# Allegro board 8880F5-0823__zarif.brd (continued)
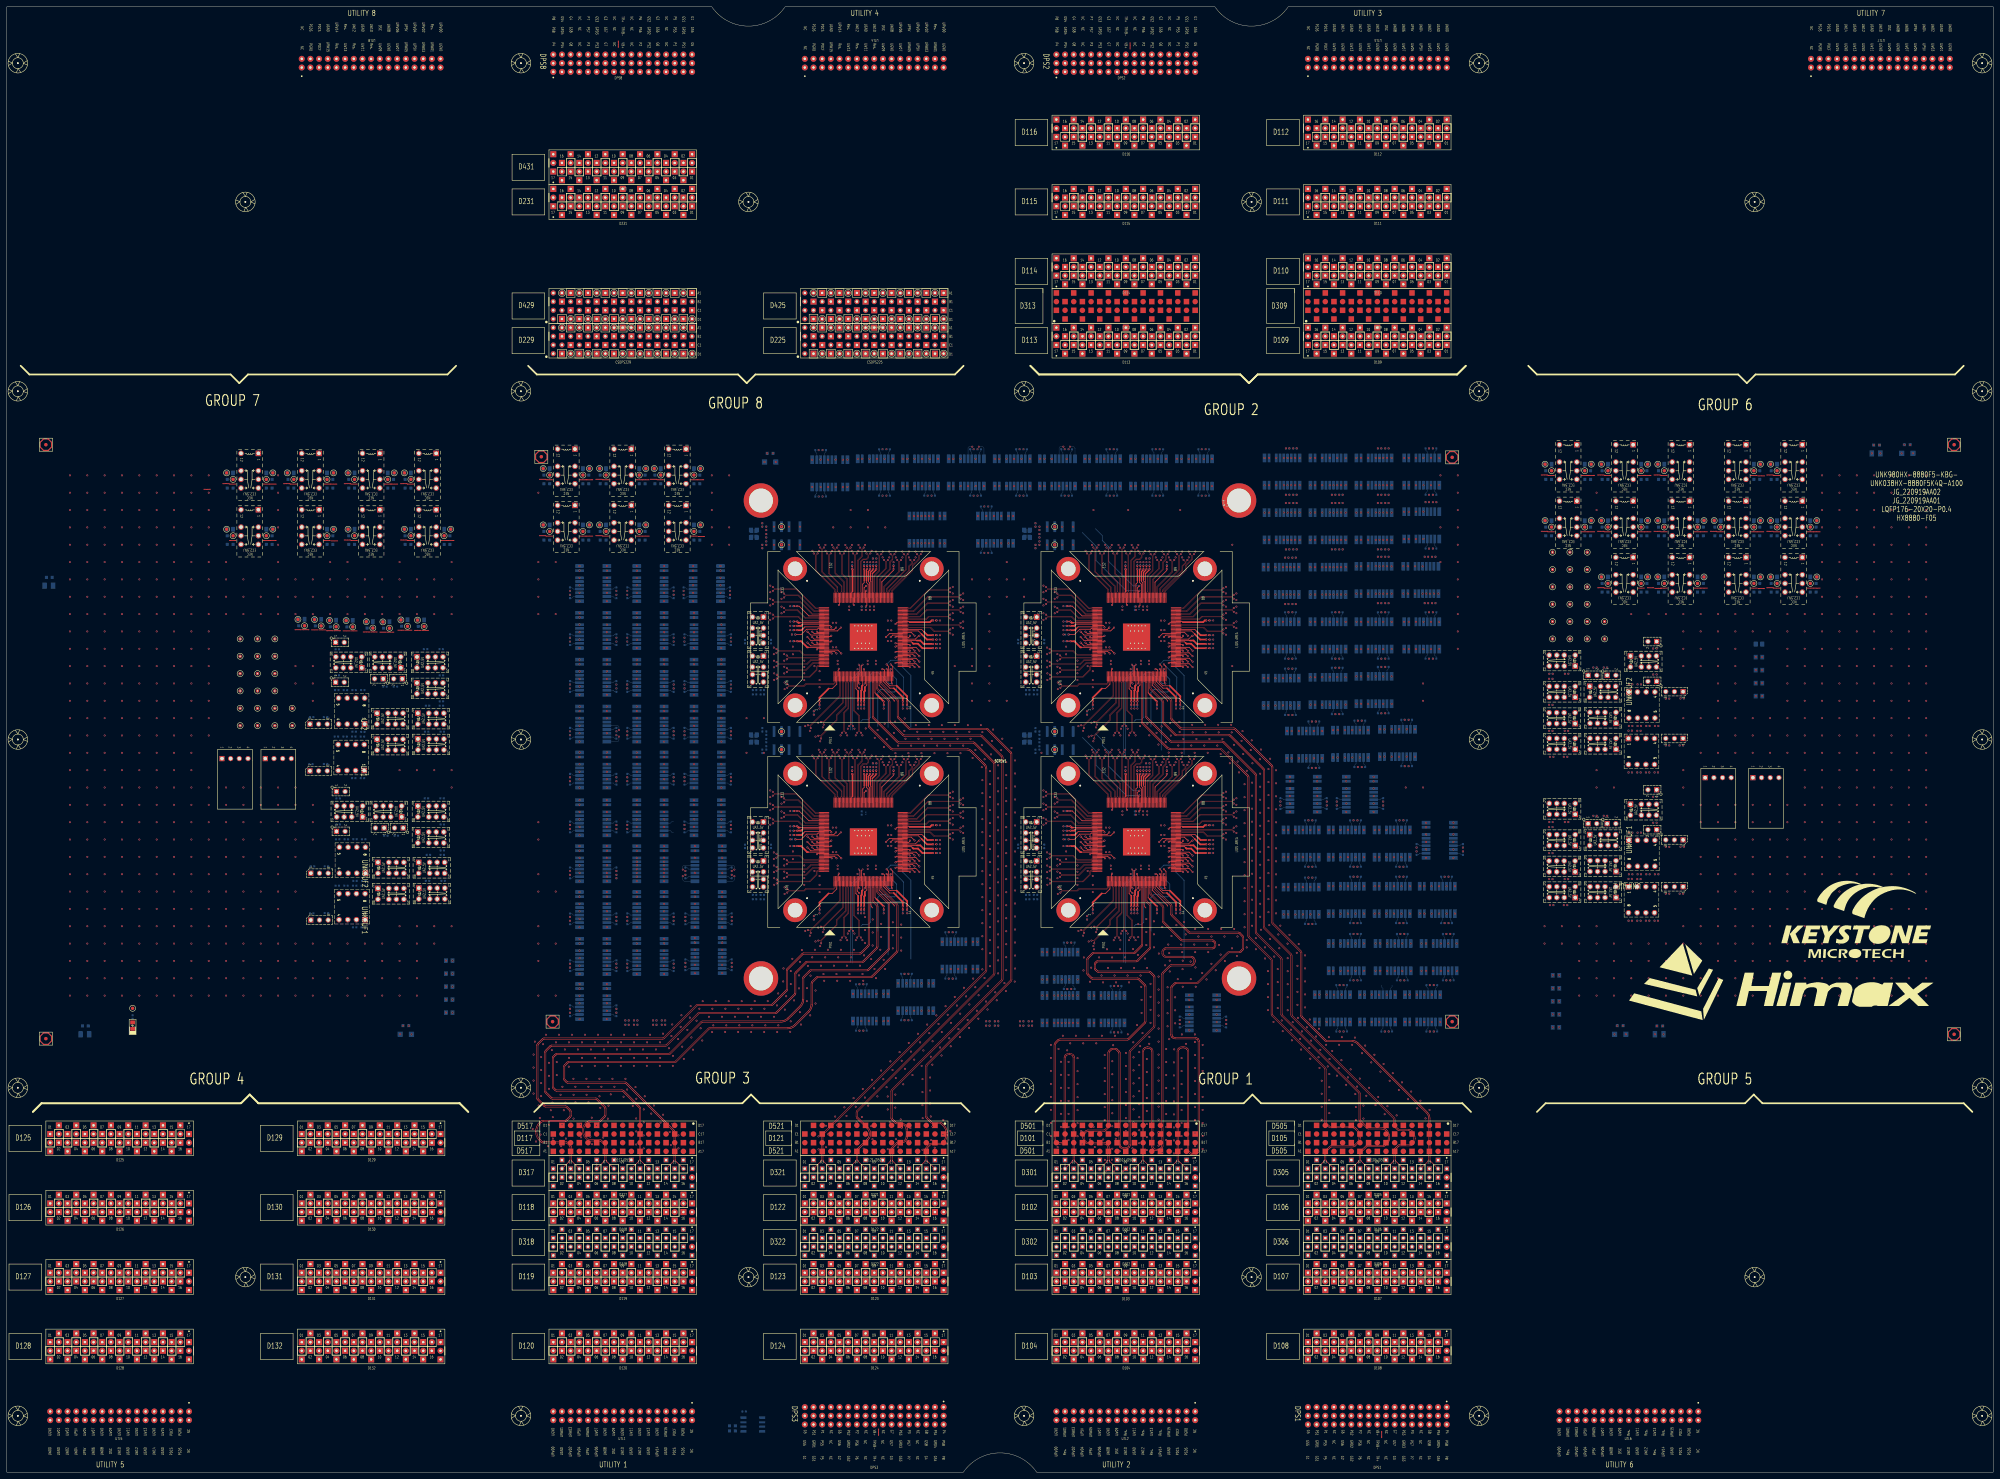
[diagram p0: board, top side]
## Placement (name value [footprint] x y rotation side) (continued)
NOREF#1338  -  []  297.83 174.63 90 top
NOREF#1339  -  []  167.7 206.29 90 top
NOREF#1340  -  []  385.19 281.11 0 top
NOREF#1341  -  []  338.2 246.67 0 top
NOREF#1342  -  []  184.47 242.78 90 top
NOREF#1343  -  []  392.24 199.18 90 top
NOREF#1344  -  []  221.56 242.89 0 top
NOREF#1345  -  []  262.36 223.82 90 top
NOREF#1346  -  []  336.45 224.74 0 top
NOREF#1347  -  []  252.51 204.35 90 top
NOREF#1348  -  []  184.47 186.57 90 top
NOREF#1349  -  []  377.23 289.12 0 top
NOREF#1350  -  []  451.68 230.2 0 top
NOREF#1351  -  []  420.62 239.21 90 top
NOREF#1352  -  []  327.25 205.56 0 top
NOREF#1353  -  []  383.09 257.11 0 top
NOREF#1354  -  []  379.52 188.15 0 top
NOREF#1355  -  []  194.09 146.68 90 top
NOREF#1356  -  []  237.66 164.74 0 top
NOREF#1357  -  []  283.91 273.37 90 top
NOREF#1358  -  []  475.04 239.09 0 top
NOREF#1359  -  []  287.27 286.96 90 top
NOREF#1360  -  []  351.34 249.5 0 top
NOREF#1361  -  []  295.96 177.06 0 top
NOREF#1362  -  []  230.43 186.34 0 top
NOREF#1363  -  []  388.43 180.15 0 top
NOREF#1364  -  []  199.59 243.9 90 top
NOREF#1365  -  []  106.11 234.24 0 top
NOREF#1366  -  []  399.07 208.91 90 top
NOREF#1367  -  []  456.04 222.5 0 top
NOREF#1368  -  []  259.33 265.56 0 top
NOREF#1369  -  []  201.49 161 90 top
NOREF#1370  -  []  182.57 185.42 0 top
NOREF#1371  -  []  301.95 290.13 90 top
NOREF#1372  -  []  185.2 292.55 90 top
NOREF#1373  -  []  165.8 171.96 0 top
NOREF#1374  -  []  209.59 147.43 90 top
NOREF#1375  -  []  396.55 241.11 0 top
NOREF#1376  -  []  311.15 159.63 90 top
NOREF#1377  -  []  182.82 175.58 90 top
NOREF#1378  -  []  272.24 182.32 90 top
NOREF#1379  -  []  184.89 172.56 90 top
NOREF#1380  -  []  251.38 224.74 90 top
NOREF#1381  -  []  127.55 191.95 90 top
NOREF#1382  -  []  166.06 257.62 90 top
NOREF#1383  -  []  377.32 163.39 0 top
NOREF#1384  -  []  388.43 163.64 0 top
NOREF#1385  -  []  310.43 187.61 90 top
NOREF#1386  -  []  107.76 238.84 0 top
NOREF#1387  -  []  334.61 205.86 90 top
NOREF#1388  -  []  22.16 130.26 90 top
NOREF#1389  -  []  385.36 194.18 90 top
NOREF#1390  -  []  309.51 243.41 0 top
NOREF#1391  -  []  276.4 147.38 0 top
NOREF#1392  -  []  241.6 296.61 0 top
NOREF#1393  -  []  248 286.96 0 top
NOREF#1394  -  []  201.23 227.72 0 top
NOREF#1395  -  []  165.8 144.78 0 top
NOREF#1396  -  []  352.25 245.5 0 top
NOREF#1397  -  []  310.73 249.2 0 top
NOREF#1398  -  []  317.66 164.74 0 top
NOREF#1399  -  []  471.21 168.33 90 top
NOREF#1400  -  []  352.24 249.18 90 top
NOREF#1401  -  []  352.25 241.05 90 top
NOREF#1402  -  []  271.82 134.74 90 top
NOREF#1403  -  []  310.43 249.52 0 top
NOREF#1404  -  []  230.43 248.88 90 top
NOREF#1405  -  []  155.57 291.65 90 top
NOREF#1406  -  []  342.36 165.04 90 top
NOREF#1407  -  []  306.71 139.64 0 top
NOREF#1408  -  []  470.71 227 90 top
NOREF#1409  -  []  184.47 244.98 90 top
NOREF#1410  -  []  333.4 205.55 0 top
NOREF#1411  -  []  201.23 186.57 0 top
NOREF#1412  -  []  402.14 146.88 0 top
NOREF#1413  -  []  383.83 194.68 90 top
NOREF#1414  -  []  373.93 281.11 0 top
NOREF#1415  -  []  209.59 160.9 90 top
NOREF#1416  -  []  229.51 247.93 0 top
NOREF#1417  -  []  249.15 296.86 0 top
NOREF#1418  -  []  463.61 171.53 0 top
NOREF#1419  -  []  209.49 177.76 90 top
NOREF#1420  -  []  352.25 242.32 90 top
NOREF#1421  -  []  408.63 290.39 90 top
NOREF#1422  -  []  396.03 163.64 0 top
NOREF#1423  -  []  331.62 205.56 0 top
NOREF#1424  -  []  106.18 160.58 90 top
NOREF#1425  -  []  352.25 181.69 0 top
NOREF#1426  -  []  308.91 139.64 0 top
NOREF#1427  -  []  405.93 240.66 90 top
NOREF#1428  -  []  107.02 166.42 90 top
NOREF#1429  -  []  331.54 192.73 90 top
NOREF#1430  -  []  459.28 192.71 0 top
NOREF#1431  -  []  272.25 249.18 90 top
NOREF#1432  -  []  310.83 164.63 0 top
NOREF#1433  -  []  468.85 257.36 90 top
NOREF#1434  -  []  112.16 238.84 0 top
NOREF#1435  -  []  306.27 216.63 90 top
NOREF#1436  -  []  397.8 163.19 90 top
NOREF#1437  -  []  224.65 211.67 0 top
NOREF#1438  -  []  251.22 253.63 0 top
NOREF#1439  -  []  250.49 224.74 90 top
NOREF#1440  -  []  258.2 186.67 0 top
NOREF#1441  -  []  396.55 241.11 0 top
NOREF#1442  -  []  369.38 241.11 0 top
NOREF#1443  -  []  192.57 201.79 90 top
NOREF#1444  -  []  334.61 265.86 90 top
NOREF#1445  -  []  463.61 222.58 0 top
NOREF#1446  -  []  167.7 255.15 0 top
NOREF#1447  -  []  511.59 291.28 90 top
NOREF#1448  -  []  384.36 131.89 0 top
NOREF#1449  -  []  167.7 190.12 90 top
NOREF#1450  -  []  342.63 296.86 0 top
NOREF#1451  -  []  352.25 189.82 0 top
NOREF#1452  -  []  242.23 233.13 90 top
NOREF#1453  -  []  420.15 131.44 90 top
NOREF#1454  -  []  175.7 177.76 90 top
NOREF#1455  -  []  339.33 205.56 90 top
NOREF#1456  -  []  412.62 249.11 0 top
NOREF#1457  -  []  220.36 188.49 0 top
NOREF#1458  -  []  184.47 206.29 90 top
NOREF#1459  -  []  165.8 131.57 90 top
NOREF#1460  -  []  229.51 253.69 0 top
NOREF#1461  -  []  471.21 175.95 90 top
NOREF#1462  -  []  326.23 233.13 0 top
NOREF#1463  -  []  400.34 194.68 90 top
NOREF#1464  -  []  310.73 193.69 0 top
NOREF#1465  -  []  330.73 265.56 0 top
NOREF#1466  -  []  403.99 180.15 0 top
NOREF#1467  -  []  229.51 183.41 0 top
NOREF#1468  -  []  209.59 174.36 90 top
NOREF#1469  -  []  230.43 254.01 0 top
NOREF#1470  -  []  177.33 146.68 90 top
NOREF#1471  -  []  192.47 182.06 90 top
NOREF#1472  -  []  209.23 209.49 90 top
NOREF#1473  -  []  483.04 239.09 0 top
NOREF#1474  -  []  175.7 246.08 90 top
NOREF#1475  -  []  397.8 179.6 90 top
NOREF#1476  -  []  66.26 290.38 90 top
NOREF#1477  -  []  184.47 161 90 top
NOREF#1478  -  []  390.34 192.28 90 top
NOREF#1479  -  []  303.56 233.86 90 top
NOREF#1480  -  []  199.33 199.39 90 top
NOREF#1481  -  []  272.55 182.64 0 top
NOREF#1482  -  []  299.59 288.86 90 top
NOREF#1483  -  []  229.21 186.34 0 top
NOREF#1484  -  []  355.89 130.17 90 top
NOREF#1485  -  []  383.09 273.11 0 top
NOREF#1486  -  []  230.43 188.88 0 top
NOREF#1487  -  []  423.61 182.42 90 top
NOREF#1488  -  []  118.45 231.77 0 top
NOREF#1489  -  []  309.51 247.93 0 top
NOREF#1490  -  []  310.43 194.01 0 top
NOREF#1491  -  []  387.08 171.64 0 top
NOREF#1492  -  []  331.38 164.74 90 top
NOREF#1493  -  []  124.35 222.33 0 top
NOREF#1494  -  []  332.83 204.65 90 top
NOREF#1495  -  []  254.61 205.86 90 top
NOREF#1496  -  []  419.9 272.92 90 top
NOREF#1497  -  []  482.64 235.89 90 top
NOREF#1498  -  []  352.55 245.18 0 top
NOREF#1499  -  []  409.49 180.15 0 top
NOREF#1500  -  []  100.73 238.84 0 top
NOREF#1501  -  []  341.63 195.43 90 top
NOREF#1502  -  []  184.47 233.47 90 top
NOREF#1503  -  []  408.02 287.22 0 top
NOREF#1504  -  []  459.28 227 90 top
NOREF#1505  -  []  483.04 195.66 0 top
NOREF#1506  -  []  339.33 205.55 0 top
NOREF#1507  -  []  172.08 289.11 90 top
NOREF#1508  -  []  201.66 186.02 90 top
NOREF#1509  -  []  394.66 226.38 90 top
NOREF#1510  -  []  119.95 195.15 0 top
NOREF#1511  -  []  418.12 241.11 0 top
NOREF#1512  -  []  199.33 240.28 0 top
NOREF#1513  -  []  118.99 166.5 90 top
NOREF#1514  -  []  230.43 187.61 0 top
NOREF#1515  -  []  254.29 265.55 0 top
NOREF#1516  -  []  221.56 239.06 0 top
NOREF#1517  -  []  478.57 291.28 90 top
NOREF#1518  -  []  410.52 273.37 0 top
NOREF#1519  -  []  258.1 288.86 0 top
NOREF#1520  -  []  165.8 240.28 0 top
NOREF#1521  -  []  383.09 257.11 0 top
NOREF#1522  -  []  481.96 276.41 90 top
NOREF#1523  -  []  336.77 223.82 90 top
NOREF#1524  -  []  392.66 192.88 90 top
NOREF#1525  -  []  352.25 185.5 0 top
NOREF#1526  -  []  215.96 188.49 0 top
NOREF#1527  -  []  373.83 192.28 0 top
NOREF#1528  -  []  318.3 163.52 90 top
NOREF#1529  -  []  278.6 147.38 0 top
NOREF#1530  -  []  166.06 148.4 90 top
NOREF#1531  -  []  271.04 182.96 0 top
NOREF#1532  -  []  400.24 198.08 90 top
NOREF#1533  -  []  229.21 248.88 0 top
NOREF#1534  -  []  301.56 242.89 0 top
NOREF#1535  -  []  272.55 242.64 0 top
NOREF#1536  -  []  250.73 265.55 0 top
NOREF#1537  -  []  479.44 195.66 0 top
NOREF#1538  -  []  175.7 236.67 90 top
NOREF#1539  -  []  376.23 209.11 0 top
NOREF#1540  -  []  310.73 247.93 0 top
NOREF#1541  -  []  127.95 222.33 0 top
NOREF#1542  -  []  334.29 205.56 90 top
NOREF#1543  -  []  175.7 182.06 90 top
NOREF#1544  -  []  378.75 256.66 90 top
NOREF#1545  -  []  303.84 288.86 0 top
NOREF#1546  -  []  408.63 274.64 90 top
NOREF#1547  -  []  409.43 139.89 0 top
NOREF#1548  -  []  215.96 188.49 0 top
NOREF#1549  -  []  122.19 247.3 90 top
NOREF#1550  -  []  385.18 209.11 90 top
NOREF#1551  -  []  315.82 129.74 0 top
NOREF#1552  -  []  192.47 205.19 90 top
NOREF#1553  -  []  184.47 178.86 90 top
NOREF#1554  -  []  272.55 181.37 0 top
NOREF#1555  -  []  369.38 257.11 0 top
NOREF#1556  -  []  398.65 265.37 0 top
NOREF#1557  -  []  320.42 131.64 0 top
NOREF#1558  -  []  275.82 296.86 0 top
NOREF#1559  -  []  404.15 273.11 0 top
NOREF#1560  -  []  220.36 177.06 0 top
NOREF#1561  -  []  263.44 135.19 0 top
NOREF#1562  -  []  253.4 205.56 90 top
NOREF#1563  -  []  320.83 194.63 0 top
NOREF#1564  -  []  209.33 215.25 90 top
NOREF#1565  -  []  351.34 185.18 0 top
NOREF#1566  -  []  175.7 259.8 90 top
NOREF#1567  -  []  352.24 242.32 90 top
NOREF#1568  -  []  342.36 163.82 90 top
NOREF#1569  -  []  351.34 242.64 0 top
NOREF#1570  -  []  390.69 241.11 0 top
NOREF#1571  -  []  354.27 134.07 90 top
NOREF#1572  -  []  413.51 207.71 90 top
NOREF#1573  -  []  378.75 256.56 90 top
NOREF#1574  -  []  330.51 288.86 0 top
NOREF#1575  -  []  167.7 229.07 90 top
NOREF#1576  -  []  383.09 241.11 0 top
NOREF#1577  -  []  518.38 276.41 90 top
NOREF#1578  -  []  309.21 187.61 0 top
NOREF#1579  -  []  330.73 205.56 0 top
NOREF#1580  -  []  295.96 188.49 0 top
NOREF#1581  -  []  465.31 186.77 0 top
NOREF#1582  -  []  199.33 212.85 90 top
NOREF#1583  -  []  165.8 240.28 90 top
NOREF#1584  -  []  273.09 288.31 90 top
NOREF#1585  -  []  110.47 178.64 0 top
NOREF#1586  -  []  235.85 296.61 0 top
NOREF#1587  -  []  194.09 173.86 90 top
NOREF#1588  -  []  226.83 269.63 90 top
NOREF#1589  -  []  94.93 190.55 0 top
NOREF#1590  -  []  184.47 227.72 90 top
NOREF#1591  -  []  259.65 264.65 90 top
NOREF#1592  -  []  184.47 258.7 90 top
NOREF#1593  -  []  93.76 273.87 90 top
NOREF#1594  -  []  415.1 163.64 0 top
NOREF#1595  -  []  309.51 183.41 0 top
NOREF#1596  -  []  328.96 224.74 0 top
NOREF#1597  -  []  406.65 271.21 90 top
NOREF#1598  -  []  555.66 300.54 90 top
NOREF#1599  -  []  308.14 296.86 0 top
NOREF#1600  -  []  405.93 272.66 90 top
NOREF#1601  -  []  341.48 286.96 0 top
NOREF#1602  -  []  322.23 173.13 0 top
NOREF#1603  -  []  263.63 163.82 90 top
NOREF#1604  -  []  394.05 255.47 0 top
NOREF#1605  -  []  456.04 179.06 0 top
NOREF#1606  -  []  310.73 243.41 0 top
NOREF#1607  -  []  254.8 296.86 0 top
NOREF#1608  -  []  400.54 188.15 0 top
NOREF#1609  -  []  222.11 180.71 0 top
NOREF#1610  -  []  327.89 204.35 90 top
NOREF#1611  -  []  230.43 247.61 0 top
NOREF#1612  -  []  237.98 163.82 90 top
NOREF#1613  -  []  403.99 171.64 0 top
NOREF#1614  -  []  260.83 174.63 90 top
NOREF#1615  -  []  167.7 151.68 90 top
NOREF#1616  -  []  128.05 273.87 90 top
NOREF#1617  -  []  401.89 180.15 0 top
NOREF#1618  -  []  333.72 265.86 90 top
NOREF#1619  -  []  332.61 296.86 0 top
NOREF#1620  -  []  252.83 265.86 90 top
NOREF#1621  -  []  167.7 176.66 90 top
NOREF#1622  -  []  330.51 288.86 0 top
NOREF#1623  -  []  327.57 264.65 90 top
NOREF#1624  -  []  383.73 195.88 90 top
NOREF#1625  -  []  460.93 166.93 90 top
NOREF#1626  -  []  247.78 132.14 90 top
NOREF#1627  -  []  419.22 257.37 90 top
NOREF#1628  -  []  192.47 177.76 90 top
NOREF#1629  -  []  250.74 224.72 0 top
NOREF#1630  -  []  113.08 129.54 0 top
NOREF#1631  -  []  369.63 273.11 0 top
NOREF#1632  -  []  251.86 252.43 90 top
NOREF#1633  -  []  84.04 287.84 90 top
NOREF#1634  -  []  346.27 129.42 0 top
NOREF#1635  -  []  182.57 185.42 90 top
NOREF#1636  -  []  247.25 265.55 0 top
NOREF#1637  -  []  327.15 286.96 90 top
NOREF#1638  -  []  230.43 183.09 0 top
NOREF#1639  -  []  221.56 182.89 0 top
NOREF#1640  -  []  449.99 174.46 0 top
NOREF#1641  -  []  184.47 190.12 90 top
NOREF#1642  -  []  311.15 219.63 90 top
NOREF#1643  -  []  317.66 224.74 0 top
NOREF#1644  -  []  418.12 257.42 90 top
NOREF#1645  -  []  316.97 139.64 0 top
NOREF#1646  -  []  230.43 193.37 0 top
NOREF#1647  -  []  250.5 288.86 0 top
NOREF#1648  -  []  405.93 256.82 90 top
NOREF#1649  -  []  420.62 271.47 90 top
NOREF#1650  -  []  118.74 215.34 0 top
NOREF#1651  -  []  330.18 242.88 0 top
NOREF#1652  -  []  337.9 246.35 90 top
NOREF#1653  -  []  385.61 208.56 90 top
NOREF#1654  -  []  184.47 186.57 0 top
NOREF#1655  -  []  262.34 143.19 0 top
NOREF#1656  -  []  330.17 225.04 90 top
NOREF#1657  -  []  354.37 130.67 90 top
NOREF#1658  -  []  199.59 158.5 90 top
NOREF#1659  -  []  303.84 288.86 0 top
NOREF#1660  -  []  327.25 205.56 90 top
NOREF#1661  -  []  184.47 201.89 90 top
NOREF#1662  -  []  450.03 166.93 0 top
NOREF#1663  -  []  471.21 168.33 0 top
NOREF#1664  -  []  272.24 183.59 90 top
NOREF#1665  -  []  118.99 171.65 0 top
NOREF#1666  -  []  101.82 271.33 90 top
NOREF#1667  -  []  298.13 214.06 90 top
NOREF#1668  -  []  182.57 171.96 90 top
NOREF#1669  -  []  182.82 257.62 90 top
NOREF#1670  -  []  234.7 298.51 0 top
NOREF#1671  -  []  192.57 147.18 90 top
NOREF#1672  -  []  415.61 179.97 90 top
NOREF#1673  -  []  310.43 193.37 0 top
NOREF#1674  -  []  182.82 203.01 90 top
NOREF#1675  -  []  392.47 272.56 90 top
NOREF#1676  -  []  175.8 215.25 90 top
NOREF#1677  -  []  194.09 214.75 90 top
NOREF#1678  -  []  317.83 197.63 0 top
NOREF#1679  -  []  240.83 254.63 0 top
NOREF#1680  -  []  230.73 246.66 0 top
NOREF#1681  -  []  399.39 161.74 0 top
NOREF#1682  -  []  268.94 272.1 0 top
NOREF#1683  -  []  175.8 201.79 90 top
NOREF#1684  -  []  411.26 163.09 90 top
NOREF#1685  -  []  182.82 216.47 90 top
NOREF#1686  -  []  118.99 171.65 0 top
NOREF#1687  -  []  375.22 180.15 0 top
NOREF#1688  -  []  413.71 178.82 0 top
NOREF#1689  -  []  118.33 273.87 90 top
NOREF#1690  -  []  477.24 195.66 0 top
NOREF#1691  -  []  423.61 188.92 90 top
NOREF#1692  -  []  396.55 289.12 0 top
NOREF#1693  -  []  309.21 186.34 0 top
NOREF#1694  -  []  343.31 224.74 0 top
NOREF#1695  -  []  406.19 171.64 0 top
NOREF#1696  -  []  379.73 287.22 90 top
NOREF#1697  -  []  373.87 171.39 0 top
NOREF#1698  -  []  485.36 257.36 90 top
NOREF#1699  -  []  270.29 135.24 90 top
NOREF#1700  -  []  253.72 204.65 90 top
NOREF#1701  -  []  384.17 180.15 90 top
NOREF#1702  -  []  372.72 178.25 0 top
NOREF#1703  -  []  339.97 264.35 90 top
NOREF#1704  -  []  398.65 233.11 0 top
NOREF#1705  -  []  194.09 160.4 90 top
NOREF#1706  -  []  390.69 289.12 0 top
NOREF#1707  -  []  201.49 146.18 0 top
NOREF#1708  -  []  225.83 204.31 0 top
NOREF#1709  -  []  175.8 187.82 90 top
NOREF#1710  -  []  272.24 249.18 90 top
NOREF#1711  -  []  251.22 193.63 0 top
NOREF#1712  -  []  381.2 274.38 90 top
NOREF#1713  -  []  88.64 247.45 90 top
NOREF#1714  -  []  110.21 214.71 0 top
NOREF#1715  -  []  201.23 214 0 top
NOREF#1716  -  []  252.51 265.56 90 top
NOREF#1717  -  []  399.67 139.89 0 top
NOREF#1718  -  []  369.38 224.6 0 top
NOREF#1719  -  []  396.28 146.93 90 top
NOREF#1720  -  []  473.79 239.64 0 top
NOREF#1721  -  []  257.09 223.52 90 top
NOREF#1722  -  []  322.23 173.13 90 top
NOREF#1723  -  []  390.94 257.16 90 top
NOREF#1724  -  []  425.23 180.72 90 top
NOREF#1725  -  []  209.49 164.3 90 top
NOREF#1726  -  []  408.63 242.38 90 top
NOREF#1727  -  []  331.38 223.52 90 top
NOREF#1728  -  []  230.73 193.69 0 top
NOREF#1729  -  []  387.08 154.88 0 top
NOREF#1730  -  []  106.29 174.19 90 top
NOREF#1731  -  []  231.15 219.63 90 top
NOREF#1732  -  []  201.21 273.5 90 top
NOREF#1733  -  []  226.27 156.63 90 top
NOREF#1734  -  []  351.34 182.64 0 top
NOREF#1735  -  []  230.73 189.2 0 top
NOREF#1736  -  []  256.77 163.82 90 top
NOREF#1737  -  []  336.45 164.72 0 top
NOREF#1738  -  []  331.62 265.55 0 top
NOREF#1739  -  []  252.51 265.55 0 top
NOREF#1740  -  []  261.82 290.13 90 top
NOREF#1741  -  []  332.51 205.56 90 top
NOREF#1742  -  []  263.95 164.74 90 top
NOREF#1743  -  []  295.96 188.49 0 top
NOREF#1744  -  []  230.41 183.09 90 top
NOREF#1745  -  []  210.86 242.18 90 top
NOREF#1746  -  []  262.04 224.74 0 top
NOREF#1747  -  []  272.55 249.5 0 top
NOREF#1748  -  []  238.3 288.61 0 top
NOREF#1749  -  []  460.89 174.46 90 top
NOREF#1750  -  []  201.23 241.43 0 top
NOREF#1751  -  []  329.6 164.74 90 top
NOREF#1752  -  []  124.1 231.22 0 top
NOREF#1753  -  []  300.36 237.06 0 top
NOREF#1754  -  []  399.39 178.25 0 top
NOREF#1755  -  []  182.57 158.5 0 top
NOREF#1756  -  []  412.37 257.37 0 top
NOREF#1757  -  []  459.24 219.3 0 top
NOREF#1758  -  []  409.99 146.93 90 top
NOREF#1759  -  []  379.52 171.39 0 top
NOREF#1760  -  []  184.89 240.88 90 top
NOREF#1761  -  []  333.72 205.86 90 top
NOREF#1762  -  []  411.26 179.6 90 top
NOREF#1763  -  []  309.51 253.69 0 top
NOREF#1764  -  []  478.57 274.77 90 top
NOREF#1765  -  []  376.15 192.88 90 top
NOREF#1766  -  []  449.99 217.9 0 top
NOREF#1767  -  []  468.01 171.53 0 top
NOREF#1768  -  []  252.6 288.86 0 top
NOREF#1769  -  []  337.09 164.74 90 top
NOREF#1770  -  []  352.24 184.86 90 top
NOREF#1771  -  []  262.36 296.86 0 top
NOREF#1772  -  []  339.33 205.55 0 top
NOREF#1773  -  []  184.47 159.65 0 top
NOREF#1774  -  []  229.51 187.93 0 top
NOREF#1775  -  []  237.98 225.04 90 top
NOREF#1776  -  []  165.8 254 0 top
NOREF#1777  -  []  238.45 197.01 0 top
NOREF#1778  -  []  330.49 224.74 90 top
NOREF#1779  -  []  230.43 243.09 0 top
NOREF#1780  -  []  116.27 171.02 0 top
NOREF#1781  -  []  215.96 248.49 0 top
NOREF#1782  -  []  271.34 181.37 0 top
NOREF#1783  -  []  230.41 188.88 90 top
NOREF#1784  -  []  473.79 191.06 90 top
NOREF#1785  -  []  397.3 209.36 0 top
NOREF#1786  -  []  250.73 264.35 90 top
NOREF#1787  -  []  331.06 225.04 90 top
NOREF#1788  -  []  248.96 164.72 0 top
NOREF#1789  -  []  249.13 140.14 0 top
NOREF#1790  -  []  384.59 179.7 90 top
NOREF#1791  -  []  273.24 272.1 0 top
NOREF#1792  -  []  299.81 213.69 90 top
NOREF#1793  -  []  182.82 162.12 90 top
NOREF#1794  -  []  395.67 133.16 90 top
NOREF#1795  -  []  408.92 265.37 0 top
NOREF#1796  -  []  310.41 247.61 90 top
NOREF#1797  -  []  201.23 214 90 top
NOREF#1798  -  []  229.21 183.09 0 top
NOREF#1799  -  []  199.08 254 90 top
NOREF#1800  -  []  337.09 163.52 90 top
NOREF#1801  -  []  450.03 210.36 0 top
NOREF#1802  -  []  272.55 185.18 0 top
NOREF#1803  -  []  251.06 223.82 90 top
NOREF#1804  -  []  319.33 176.03 90 top
NOREF#1805  -  []  254.61 265.86 90 top
NOREF#1806  -  []  209.49 150.83 90 top
NOREF#1807  -  []  387.39 232.85 0 top
NOREF#1808  -  []  448.94 276.41 90 top
NOREF#1809  -  []  272.25 242.32 90 top
NOREF#1810  -  []  495.08 277.31 90 top
NOREF#1811  -  []  167.7 147.28 90 top
NOREF#1812  -  []  330.74 224.72 0 top
NOREF#1813  -  []  236.27 289.16 90 top
NOREF#1814  -  []  482.64 192.46 90 top
NOREF#1815  -  []  373.32 181.42 90 top
NOREF#1816  -  []  418.12 289.12 0 top
NOREF#1817  -  []  342.68 163.52 90 top
NOREF#1818  -  []  175.7 218.65 90 top
NOREF#1819  -  []  282.9 147.38 0 top
NOREF#1820  -  []  518.38 257.36 90 top
NOREF#1821  -  []  230.41 253.37 90 top
NOREF#1822  -  []  192.47 191.22 90 top
NOREF#1823  -  []  165.8 158.5 90 top
NOREF#1824  -  []  377.32 180.15 0 top
NOREF#1825  -  []  182.57 240.28 90 top
NOREF#1826  -  []  247.25 205.56 0 top
NOREF#1827  -  []  124.35 195.15 0 top
NOREF#1828  -  []  401.87 194.18 90 top
NOREF#1829  -  []  259.33 265.55 0 top
NOREF#1830  -  []  182.57 144.78 90 top
NOREF#1831  -  []  192.47 243.88 90 top
NOREF#1832  -  []  472.86 166.93 90 top
NOREF#1833  -  []  215.96 237.06 0 top
NOREF#1834  -  []  495.08 259.9 90 top
NOREF#1835  -  []  271.04 241.69 0 top
NOREF#1836  -  []  127.99 214.79 0 top
NOREF#1837  -  []  168.13 240.88 90 top
NOREF#1838  -  []  392.04 224.85 90 top
NOREF#1839  -  []  381.2 242.38 90 top
NOREF#1840  -  []  311.69 288.91 90 top
NOREF#1841  -  []  451.64 222.5 0 top
NOREF#1842  -  []  342.36 223.82 90 top
NOREF#1843  -  []  128.05 271.33 90 top
NOREF#1844  -  []  175.7 191.22 90 top
NOREF#1845  -  []  230.73 183.41 0 top
NOREF#1846  -  []  175.7 164.3 90 top
NOREF#1847  -  []  260.99 135.19 90 top
NOREF#1848  -  []  379.73 271.21 90 top
NOREF#1849  -  []  449.99 174.46 0 top
NOREF#1850  -  []  167.7 174.46 90 top
NOREF#1851  -  []  270.04 280.1 0 top
NOREF#1852  -  []  258.61 131.69 90 top
NOREF#1853  -  []  93.02 247.21 90 top
NOREF#1854  -  []  165.8 171.96 90 top
NOREF#1855  -  []  267.84 280.1 0 top
NOREF#1856  -  []  246.63 130.24 90 top
NOREF#1857  -  []  230.73 247.93 0 top
NOREF#1858  -  []  262.68 223.52 90 top
NOREF#1859  -  []  264.29 272.1 90 top
NOREF#1860  -  []  404.15 225.11 0 top
NOREF#1861  -  []  378.33 209.11 0 top
NOREF#1862  -  []  122.15 195.15 0 top
NOREF#1863  -  []  419.47 273.37 90 top
NOREF#1864  -  []  118.7 222.88 0 top
NOREF#1865  -  []  192.47 216.45 90 top
NOREF#1866  -  []  390.53 154.88 0 top
NOREF#1867  -  []  330.74 164.72 0 top
NOREF#1868  -  []  501.87 273.87 90 top
NOREF#1869  -  []  253.4 265.55 0 top
NOREF#1870  -  []  352.93 288.86 90 top
NOREF#1871  -  []  353.35 288.41 90 top
NOREF#1872  -  []  241.82 167.13 90 top
NOREF#1873  -  []  401.89 163.64 0 top
NOREF#1874  -  []  184.47 233.47 90 top
NOREF#1875  -  []  352.25 249.82 0 top
NOREF#1876  -  []  66.26 287.84 90 top
NOREF#1877  -  []  451.68 195.91 0 top
NOREF#1878  -  []  184.47 260.9 90 top
NOREF#1879  -  []  201.49 159.65 0 top
NOREF#1880  -  []  463.61 179.15 0 top
NOREF#1881  -  []  127.7 238.84 0 top
NOREF#1882  -  []  331.38 224.74 90 top
NOREF#1883  -  []  383.09 257.11 0 top
NOREF#1884  -  []  406.52 131.89 90 top
NOREF#1885  -  []  375.22 180.15 0 top
NOREF#1886  -  []  351.34 241.37 0 top
NOREF#1887  -  []  259.33 264.35 90 top
NOREF#1888  -  []  165.8 226.57 0 top
NOREF#1889  -  []  331.62 205.56 90 top
NOREF#1890  -  []  237.66 164.72 0 top
NOREF#1891  -  []  478.57 259.9 90 top
NOREF#1892  -  []  417.2 163.64 0 top
NOREF#1893  -  []  333.4 265.56 0 top
NOREF#1894  -  []  118.96 179.19 0 top
NOREF#1895  -  []  263.71 288.86 0 top
NOREF#1896  -  []  332.51 264.35 90 top
NOREF#1897  -  []  249.28 223.82 90 top
NOREF#1898  -  []  220.36 237.06 0 top
NOREF#1899  -  []  317.57 269.63 90 top
NOREF#1900  -  []  301.56 182.89 0 top
NOREF#1901  -  []  339.33 265.55 0 top
NOREF#1902  -  []  302.11 192.14 0 top
NOREF#1903  -  []  168.13 227.17 90 top
NOREF#1904  -  []  167.7 161 90 top
NOREF#1905  -  []  415.61 181.32 90 top
NOREF#1906  -  []  461.86 225.6 90 top
NOREF#1907  -  []  310.43 243.09 90 top
NOREF#1908  -  []  96.58 195.15 0 top
NOREF#1909  -  []  201.49 163.2 90 top
NOREF#1910  -  []  263.71 288.86 0 top
NOREF#1911  -  []  461.96 166.93 0 top
NOREF#1912  -  []  393.19 255.21 90 top
NOREF#1913  -  []  127.84 167.9 90 top
NOREF#1914  -  []  166.06 203.01 90 top
NOREF#1915  -  []  318.3 164.74 90 top
NOREF#1916  -  []  251.05 204.65 90 top
NOREF#1917  -  []  385.19 224.85 0 top
NOREF#1918  -  []  229.51 246.66 0 top
NOREF#1919  -  []  223.56 185.29 90 top
NOREF#1920  -  []  271.04 245.5 0 top
NOREF#1921  -  []  230.43 253.37 0 top
NOREF#1922  -  []  115.61 219.13 90 top
NOREF#1923  -  []  209.23 195.52 90 top
NOREF#1924  -  []  250.18 182.88 0 top
NOREF#1925  -  []  264.29 280.1 0 top
NOREF#1926  -  []  310.73 186.66 0 top
NOREF#1927  -  []  293.66 272.15 90 top
NOREF#1928  -  []  465.81 214.96 0 top
NOREF#1929  -  []  461.96 217.98 0 top
NOREF#1930  -  []  329.28 225.04 90 top
NOREF#1931  -  []  409.49 163.64 0 top
NOREF#1932  -  []  215.96 248.49 0 top
NOREF#1933  -  []  217.71 216.09 0 top
NOREF#1934  -  []  456.08 214.96 0 top
NOREF#1935  -  []  318.32 131.64 0 top
NOREF#1936  -  []  379 272.56 90 top
NOREF#1937  -  []  383.09 241.11 0 top
NOREF#1938  -  []  331.05 265.86 90 top
NOREF#1939  -  []  459.28 236.14 90 top
NOREF#1940  -  []  413.71 148.15 90 top
NOREF#1941  -  []  101.82 273.87 90 top
NOREF#1942  -  []  511.59 273.87 90 top
NOREF#1943  -  []  328.96 164.74 0 top
NOREF#1944  -  []  334.61 204.65 90 top
NOREF#1945  -  []  96.33 238.84 0 top
NOREF#1946  -  []  378.58 273.11 90 top
NOREF#1947  -  []  329.28 165.04 90 top
NOREF#1948  -  []  332.83 205.86 90 top
NOREF#1949  -  []  304.61 144.34 0 top
NOREF#1950  -  []  380.59 222.95 0 top
NOREF#1951  -  []  119.7 231.22 0 top
NOREF#1952  -  []  192.57 228.97 90 top
NOREF#1953  -  []  395.2 281.11 0 top
NOREF#1954  -  []  116.27 178.64 0 top
NOREF#1955  -  []  336.77 163.82 90 top
NOREF#1956  -  []  398.65 257.37 0 top
NOREF#1957  -  []  262.04 224.72 0 top
NOREF#1958  -  []  168.13 145.38 90 top
NOREF#1959  -  []  216.96 180.71 0 top
NOREF#1960  -  []  396.03 146.88 0 top
NOREF#1961  -  []  351.04 184.23 0 top
NOREF#1962  -  []  251.54 252.73 90 top
NOREF#1963  -  []  263.63 223.82 90 top
NOREF#1964  -  []  398.65 297.12 0 top
NOREF#1965  -  []  209.33 201.79 90 top
NOREF#1966  -  []  217.41 213.24 0 top
NOREF#1967  -  []  342.04 164.72 0 top
NOREF#1968  -  []  209.49 182.06 90 top
NOREF#1969  -  []  398.65 241.11 0 top
NOREF#1970  -  []  268.01 296.86 0 top
NOREF#1971  -  []  314.71 129.74 90 top
NOREF#1972  -  []  368.03 249.11 0 top
NOREF#1973  -  []  192.57 242.68 90 top
